# KiCad board panel.kicad_pcb (continued)
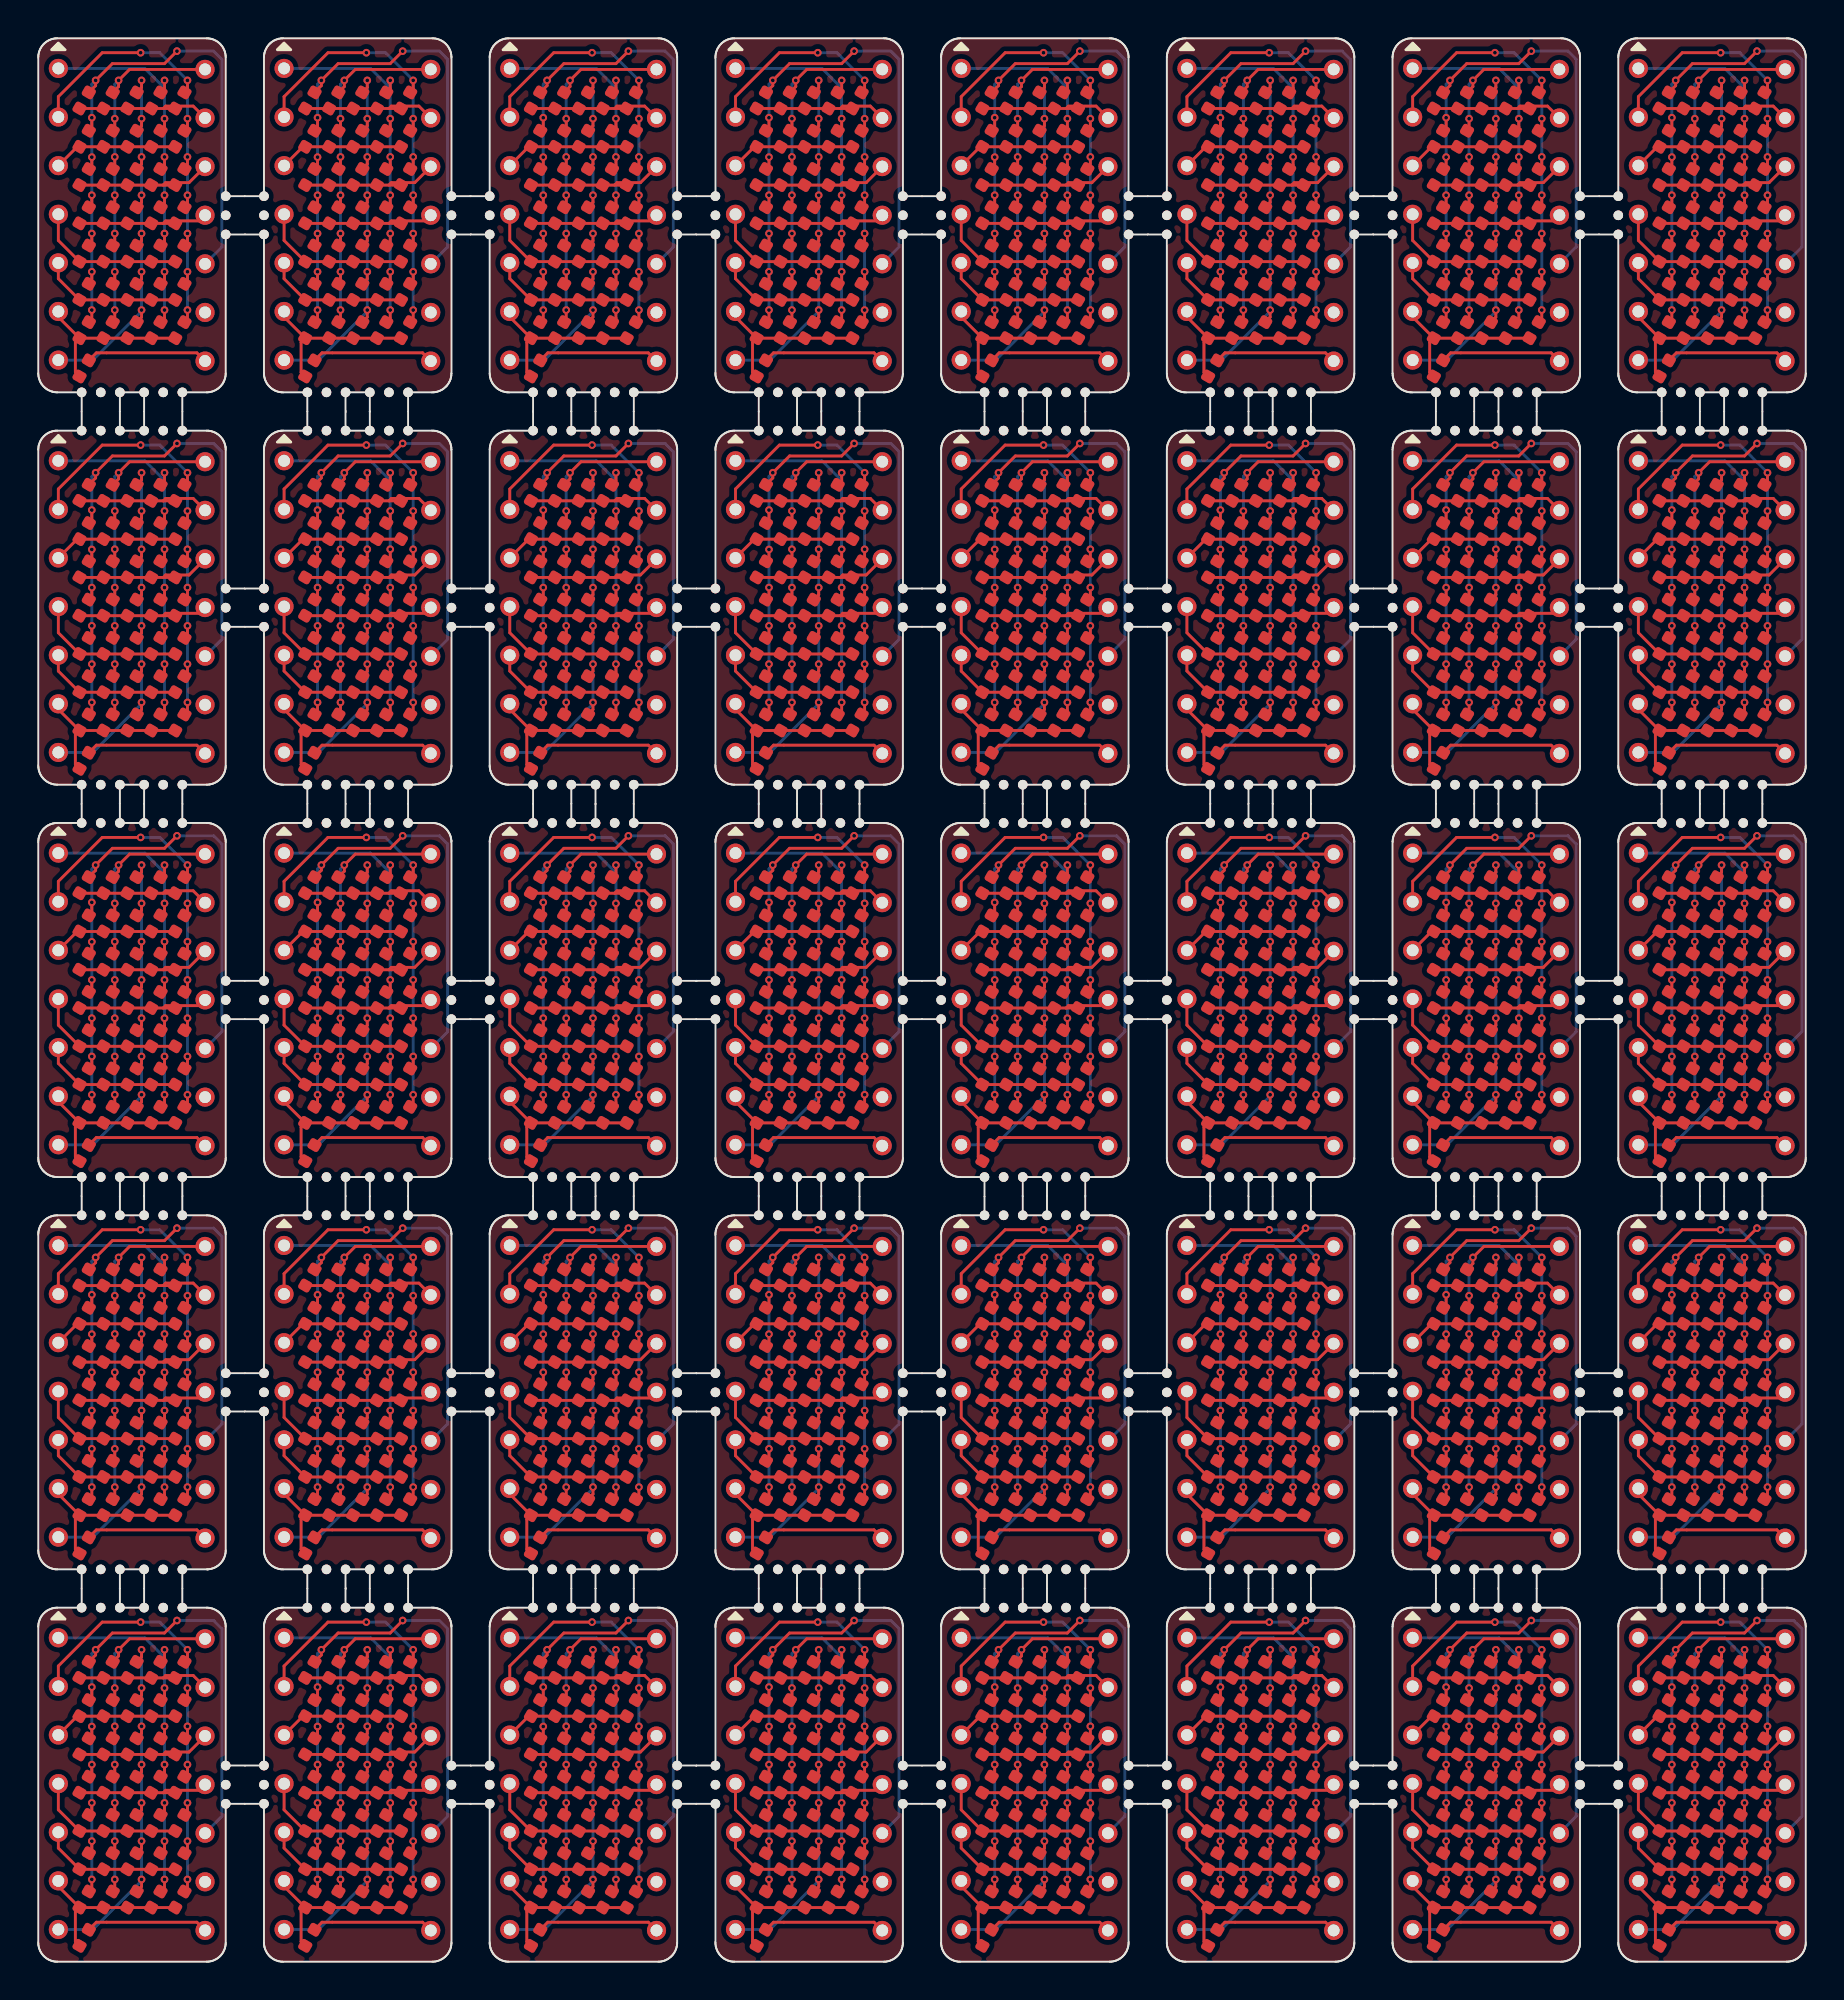
[diagram p0: board, top side]
## Routing (per net, layer and track width the routed paths; a pad name or vN(x,y) marks a point on that pad's centre or on a via; arc(x,y) is an arc through that point) (continued)
Board_16-DP: length 6.4
  Top w0.15: D8#34.2 3.04,43.06 8.29,43.06 J2.7
Board_16-R1: length 7.5
  Top w0.15: D30#37.1 6.53,55.83 ; 6.53,55.83 D23#15.1 D16#8.1 D9#29.1 D1#6.1 ; 6.53,55.83 6.66,55.96 8.1,55.96 J2.2
Board_16-R2: length 6.5
  Top w0.15: D31#25.1 D24#7.1 D17#36.1 D10#17.1 D2#22.1 2.03,53.83 J1#28.3
Board_16-R3: length 7.6
  Top w0.15: 6.53,51.83 D25#5.1 D18#6.1 D11#37.1 D3#9.1 ; 6.53,51.83 6.66,51.96 7.88,51.96 J2.3 ; 6.53,51.83 D32#40.1
Board_16-R4: length 7.4
  Top w0.15: J2.4 8.42,49.96 6.66,49.96 6.53,49.83 ; D4#11.1 D12#18.1 D19#23.1 D26#24.1 6.53,49.83 ; 6.53,49.83 D33#33.1
Board_16-R5: length 7.9
  Top w0.15: J1#28.4 1.05,48.94 D5#10.1 D13#30.1 D20#6.1 D27#16.1 D34#6.1
Board_16-R6: length 7.4
  Top w0.15: D35#9.1 D28#16.1 D21#19.1 D14#30.1 D6#34.1 1.05,46.94 J1#28.5
Board_16-R7: length 9
  Top w0.15: D7#23.1 1.94,43.61 1.94,42.05 D8#34.1 ; D7#23.1 1.05,44.94 J1#28.6 ; D7#23.1 D15#2.1 D22#2.1 D29#22.1 D36#39.1
Board_17-C1: length 35.5
  Top w0.15: D7#2.2 14.6,44.83 v1(14.6,45.3) ; D3#31.2 14.6,52.83 v1(14.6,53.29) ; v1(14.6,51.3) 14.6,50.83 D4#15.2 ; v1(19.05,58.83) 18.4,58.18 15.68,58.18 v1(14.8,57.3) 14.8,57.03 D1#16.2 ; v1(14.6,47.3) 14.6,46.83 D6#39.2 ; v1(14.6,49.3) 14.6,48.83 D5#40.2 ; v1(14.6,55.35) 14.6,54.83 D2#36.2
  Bottom w0.15: v1(19.05,58.83) 20.97,58.83 21.4,58.4 21.4,48.59 J2#20.5 ; v1(14.6,45.3) v1(14.6,47.3) v1(14.6,49.3) v1(14.6,51.3) v1(14.6,53.29) v1(14.6,55.35) 14.6,57.1 v1(14.8,57.3)
Board_17-C2: length 21.6
  Top w0.15: D14#15.2 15.8,46.78 v1(15.8,47.3) ; v1(15.8,53.3) 15.8,52.78 D11#38.2 ; v1(15.8,55.3) 15.8,54.78 D10#9.2 ; v1(15.8,49.3) 15.8,48.78 D13#32.2 ; J2#20.1 20.52,57.87 16.57,57.87 v1(16,57.3) 16,56.98 D9#26.2 ; D15#8.2 15.8,44.78 v1(15.8,45.3) ; D12#19.2 15.8,50.78 v1(15.8,51.3)
  Bottom w0.15: v1(15.8,45.3) v1(15.8,47.3) v1(15.8,49.3) v1(15.8,51.3) v1(15.8,53.3) v1(15.8,55.3) 15.8,57.1 v1(16,57.3)
Board_17-C3: length 22.6
  Top w0.15: D22#14.2 17.2,44.93 v1(17.2,45.3) ; D21#13.2 17.2,46.93 v1(17.2,47.3) ; v1(17.2,53.3) 17.2,52.93 D18#31.2 ; v1(17.2,57.3) 17.2,56.93 D16#19.2 ; v1(17.2,51.3) 17.2,50.93 D19#32.2 ; D20.2 17.2,48.93 v1(17.2,49.3) ; v1(17.2,55.3) 17.2,54.93 D17#22.2
  Bottom w0.15: J1#10.7 14.65,42.69 17.2,45.23 v1(17.2,45.3) v1(17.2,47.3) v1(17.2,49.3) v1(17.2,51.3) v1(17.2,53.3) v1(17.2,55.3) v1(17.2,57.3)
Board_17-C4: length 23
  Top w0.15: v1(18.4,57.3) 18.4,56.88 D23#26.2 ; D26#35.2 18.4,50.88 v1(18.4,51.3) ; v1(18.4,49.3) 18.4,48.88 D27#13.2 ; D25#25.2 18.4,52.88 v1(18.4,53.3) ; D28#2.2 18.4,46.88 v1(18.4,47.3) ; v1(18.4,55.3) 18.4,54.88 D24#29.2 ; D29#10.2 18.4,44.88 v1(18.4,45.3)
  Bottom w0.15: v1(18.4,57.3) 18.4,56.89 ; 18.4,56.89 v1(18.4,55.3) v1(18.4,53.3) v1(18.4,51.3) v1(18.4,49.3) v1(18.4,47.3) v1(18.4,45.3) ; 18.4,56.89 17.37,57.92 J1#10.1
Board_17-C5: length 26.2
  Top w0.15: D35#32.2 19.6,46.83 v1(19.6,47.3) ; D30#28.2 19.6,56.83 v1(19.6,57.3) ; 12.85,55.39 12.85,56.45 15.14,58.74 v1(17.15,58.74) ; D36#2.2 19.6,44.83 v1(19.6,45.3) ; v1(19.6,55.3) 19.6,54.83 D31#28.2 ; v1(19.6,49.3) 19.6,48.83 D34#22.2 ; v1(19.6,53.3) 19.6,52.83 D32#28.2 ; D33#24.2 19.6,50.83 v1(19.6,51.3)
  Bottom w0.15: v1(17.15,58.74) 18.16,58.74 v1(19.6,57.3) v1(19.6,55.3) v1(19.6,53.3) v1(19.6,51.3) v1(19.6,49.3) v1(19.6,47.3) v1(19.6,45.3)
Board_17-DP: length 6.4
  Top w0.15: J2#20.7 20.09,43.06 14.84,43.06 D8#4.2
Board_17-R1: length 7.5
  Top w0.15: 18.33,55.83 D23#26.1 D16#19.1 D9#26.1 D1#16.1 ; 18.33,55.83 D30#28.1 ; 18.33,55.83 18.46,55.96 19.9,55.96 J2#20.2
Board_17-R2: length 6.5
  Top w0.15: J1#10.3 13.84,53.83 D2#36.1 D10#9.1 D17#22.1 D24#29.1 D31#28.1
Board_17-R3: length 7.6
  Top w0.15: D32#28.1 18.33,51.83 ; 18.33,51.83 18.46,51.96 19.68,51.96 J2#20.3 ; 18.33,51.83 D25#25.1 D18#31.1 D11#38.1 D3#31.1
Board_17-R4: length 7.4
  Top w0.15: 18.33,49.83 18.46,49.96 20.22,49.96 J2#20.4 ; 18.33,49.83 D26#35.1 D19#32.1 D12#19.1 D4#15.1 ; 18.33,49.83 D33#24.1
Board_17-R5: length 7.9
  Top w0.15: J1#10.4 12.85,48.94 D5#40.1 D13#32.1 D20.1 D27#13.1 D34#22.1
Board_17-R6: length 7.4
  Top w0.15: J1#10.5 12.85,46.94 D6#39.1 D14#15.1 D21#13.1 D28#2.1 D35#32.1
Board_17-R7: length 9
  Top w0.15: D7#2.1 D15#8.1 D22#14.1 D29#10.1 D36#2.1 ; D7#2.1 13.74,43.61 13.74,42.05 D8#4.1 ; D7#2.1 12.85,44.94 J1#10.6
Board_18-C1: length 35.5
  Top w0.15: v1(26.4,51.3) 26.4,50.83 D4#12.2 ; D1#8.2 26.6,57.03 v1(26.6,57.3) 27.48,58.18 30.2,58.18 v1(30.85,58.83) ; v1(26.4,45.3) 26.4,44.83 D7#34.2 ; v1(26.4,55.35) 26.4,54.83 D2#9.2 ; v1(26.4,49.3) 26.4,48.83 D5#20.2 ; v1(26.4,47.3) 26.4,46.83 D6#16.2 ; v1(26.4,53.29) 26.4,52.83 D3#7.2
  Bottom w0.15: v1(26.6,57.3) 26.4,57.1 v1(26.4,55.35) v1(26.4,53.29) v1(26.4,51.3) v1(26.4,49.3) v1(26.4,47.3) v1(26.4,45.3) ; J2#8.5 33.2,48.59 33.2,58.4 32.77,58.83 v1(30.85,58.83)
Board_18-C2: length 21.6
  Top w0.15: D15#20.2 27.6,44.78 v1(27.6,45.3) ; v1(27.6,53.3) 27.6,52.78 D11#31.2 ; J2#8.1 32.32,57.87 28.37,57.87 v1(27.8,57.3) 27.8,56.98 D9#10.2 ; D10#6.2 27.6,54.78 v1(27.6,55.3) ; D13#31.2 27.6,48.78 v1(27.6,49.3) ; D14#23.2 27.6,46.78 v1(27.6,47.3) ; v1(27.6,51.3) 27.6,50.78 D12#39.2
  Bottom w0.15: v1(27.6,45.3) v1(27.6,47.3) v1(27.6,49.3) v1(27.6,51.3) v1(27.6,53.3) v1(27.6,55.3) 27.6,57.1 v1(27.8,57.3)
Board_18-C3: length 22.6
  Top w0.15: v1(29,51.3) 29,50.93 D19#12.2 ; D16#32.2 29,56.93 v1(29,57.3) ; D20#21.2 29,48.93 v1(29,49.3) ; v1(29,55.3) 29,54.93 D17.2 ; D18#39.2 29,52.93 v1(29,53.3) ; v1(29,47.3) 29,46.93 D21#37.2 ; D22#13.2 29,44.93 v1(29,45.3)
  Bottom w0.15: v1(29,57.3) v1(29,55.3) v1(29,53.3) v1(29,51.3) v1(29,49.3) v1(29,47.3) v1(29,45.3) 29,45.23 26.45,42.69 J1#15.7
Board_18-C4: length 23
  Top w0.15: v1(30.2,57.3) 30.2,56.88 D23#9.2 ; D28#15.2 30.2,46.88 v1(30.2,47.3) ; v1(30.2,55.3) 30.2,54.88 D24#18.2 ; D29.2 30.2,44.88 v1(30.2,45.3) ; v1(30.2,51.3) 30.2,50.88 D26#6.2 ; D25#27.2 30.2,52.88 v1(30.2,53.3) ; v1(30.2,49.3) 30.2,48.88 D27#5.2
  Bottom w0.15: 30.2,56.89 v1(30.2,55.3) v1(30.2,53.3) v1(30.2,51.3) v1(30.2,49.3) v1(30.2,47.3) v1(30.2,45.3) ; 30.2,56.89 29.17,57.92 J1#15.1 ; 30.2,56.89 v1(30.2,57.3)
Board_18-C5: length 26.2
  Top w0.15: v1(31.4,55.3) 31.4,54.83 D31#22.2 ; D33#32.2 31.4,50.83 v1(31.4,51.3) ; D32#25.2 31.4,52.83 v1(31.4,53.3) ; 24.65,55.39 24.65,56.45 26.95,58.74 v1(28.95,58.74) ; v1(31.4,47.3) 31.4,46.83 D35#34.2 ; D34#28.2 31.4,48.83 v1(31.4,49.3) ; v1(31.4,57.3) 31.4,56.83 D30#10.2 ; v1(31.4,45.3) 31.4,44.83 D36#25.2
  Bottom w0.15: v1(31.4,45.3) v1(31.4,47.3) v1(31.4,49.3) v1(31.4,51.3) v1(31.4,53.3) v1(31.4,55.3) v1(31.4,57.3) 29.95,58.74 v1(28.95,58.74)
Board_18-DP: length 6.4
  Top w0.15: D8#33.2 26.64,43.06 31.89,43.06 J2#8.7
Board_18-R1: length 7.5
  Top w0.15: 30.13,55.83 30.26,55.96 31.7,55.96 J2#8.2 ; 30.13,55.83 D30#10.1 ; 30.13,55.83 D23#9.1 D16#32.1 D9#10.1 D1#8.1
Board_18-R2: length 6.5
  Top w0.15: D31#22.1 D24#18.1 D17.1 D10#6.1 D2#9.1 25.64,53.83 J1#15.3
Board_18-R3: length 7.6
  Top w0.15: 30.13,51.83 30.26,51.96 31.48,51.96 J2#8.3 ; 30.13,51.83 D25#27.1 D18#39.1 D11#31.1 D3#7.1 ; 30.13,51.83 D32#25.1
Board_18-R4: length 7.4
  Top w0.15: J2#8.4 32.02,49.96 30.26,49.96 30.13,49.83 ; 30.13,49.83 D33#32.1 ; 30.13,49.83 D26#6.1 D19#12.1 D12#39.1 D4#12.1
Board_18-R5: length 7.9
  Top w0.15: D34#28.1 D27#5.1 D20#21.1 D13#31.1 D5#20.1 24.65,48.94 J1#15.4
Board_18-R6: length 7.4
  Top w0.15: D35#34.1 D28#15.1 D21#37.1 D14#23.1 D6#16.1 24.65,46.94 J1#15.5
Board_18-R7: length 9
  Top w0.15: D7#34.1 25.54,43.61 25.54,42.05 D8#33.1 ; D7#34.1 D15#20.1 D22#13.1 D29.1 D36#25.1 ; D7#34.1 24.65,44.94 J1#15.6
Board_19-C1: length 35.5
  Top w0.15: v1(38.2,51.3) 38.2,50.83 D4#9.2 ; D1#27.2 38.4,57.03 v1(38.4,57.3) 39.28,58.18 42,58.18 v1(42.65,58.83) ; D5#8.2 38.2,48.83 v1(38.2,49.3) ; v1(38.2,47.3) 38.2,46.83 D6#40.2 ; D3#6.2 38.2,52.83 v1(38.2,53.29) ; v1(38.2,45.3) 38.2,44.83 D7#24.2 ; v1(38.2,55.35) 38.2,54.83 D2#2.2
  Bottom w0.15: v1(38.4,57.3) 38.2,57.1 v1(38.2,55.35) v1(38.2,53.29) v1(38.2,51.3) v1(38.2,49.3) v1(38.2,47.3) v1(38.2,45.3) ; J2#29.5 45,48.59 45,58.4 44.57,58.83 v1(42.65,58.83)
Board_19-C2: length 21.6
  Top w0.15: v1(39.4,55.3) 39.4,54.78 D10#19.2 ; v1(39.4,53.3) 39.4,52.78 D11#10.2 ; D13#15.2 39.4,48.78 v1(39.4,49.3) ; D15#7.2 39.4,44.78 v1(39.4,45.3) ; D9#11.2 39.6,56.98 v1(39.6,57.3) 40.17,57.87 44.12,57.87 J2#29.1 ; v1(39.4,51.3) 39.4,50.78 D12#34.2 ; v1(39.4,47.3) 39.4,46.78 D14.2
  Bottom w0.15: v1(39.6,57.3) 39.4,57.1 v1(39.4,55.3) v1(39.4,53.3) v1(39.4,51.3) v1(39.4,49.3) v1(39.4,47.3) v1(39.4,45.3)
Board_19-C3: length 22.6
  Top w0.15: D20#7.2 40.8,48.93 v1(40.8,49.3) ; D21#39.2 40.8,46.93 v1(40.8,47.3) ; D18#3.2 40.8,52.93 v1(40.8,53.3) ; D19#29.2 40.8,50.93 v1(40.8,51.3) ; v1(40.8,45.3) 40.8,44.93 D22#22.2 ; v1(40.8,55.3) 40.8,54.93 D17#26.2 ; D16#37.2 40.8,56.93 v1(40.8,57.3)
  Bottom w0.15: v1(40.8,57.3) v1(40.8,55.3) v1(40.8,53.3) v1(40.8,51.3) v1(40.8,49.3) v1(40.8,47.3) v1(40.8,45.3) 40.8,45.23 38.25,42.69 J1#22.7
Board_19-C4: length 23
  Top w0.15: v1(42,47.3) 42,46.88 D28#20.2 ; v1(42,53.3) 42,52.88 D25#40.2 ; D23#31.2 42,56.88 v1(42,57.3) ; D27#6.2 42,48.88 v1(42,49.3) ; v1(42,45.3) 42,44.88 D29#3.2 ; D26#3.2 42,50.88 v1(42,51.3) ; v1(42,55.3) 42,54.88 D24#8.2
  Bottom w0.15: v1(42,45.3) v1(42,47.3) v1(42,49.3) v1(42,51.3) v1(42,53.3) v1(42,55.3) 42,56.89 ; 42,56.89 40.97,57.92 J1#22.1 ; 42,56.89 v1(42,57.3)
Board_19-C5: length 26.2
  Top w0.15: D32#39.2 43.2,52.83 v1(43.2,53.3) ; v1(43.2,45.3) 43.2,44.83 D36#32.2 ; 36.45,55.39 36.45,56.45 38.74,58.74 v1(40.75,58.74) ; D30#15.2 43.2,56.83 v1(43.2,57.3) ; D31#29.2 43.2,54.83 v1(43.2,55.3) ; v1(43.2,49.3) 43.2,48.83 D34#24.2 ; D33#17.2 43.2,50.83 v1(43.2,51.3) ; D35#11.2 43.2,46.83 v1(43.2,47.3)
  Bottom w0.15: v1(43.2,45.3) v1(43.2,47.3) v1(43.2,49.3) v1(43.2,51.3) v1(43.2,53.3) v1(43.2,55.3) v1(43.2,57.3) 41.76,58.74 v1(40.75,58.74)
Board_19-DP: length 6.4
  Top w0.15: D8#23.2 38.44,43.06 43.69,43.06 J2#29.7
Board_19-R1: length 7.5
  Top w0.15: D30#15.1 41.93,55.83 ; 41.93,55.83 42.06,55.96 43.5,55.96 J2#29.2 ; 41.93,55.83 D23#31.1 D16#37.1 D9#11.1 D1#27.1
Board_19-R2: length 6.5
  Top w0.15: D31#29.1 D24#8.1 D17#26.1 D10#19.1 D2#2.1 37.44,53.83 J1#22.3
Board_19-R3: length 7.6
  Top w0.15: 41.93,51.83 42.06,51.96 43.28,51.96 J2#29.3 ; 41.93,51.83 D32#39.1 ; 41.93,51.83 D25#40.1 D18#3.1 D11#10.1 D3#6.1
Board_19-R4: length 7.4
  Top w0.15: D4#9.1 D12#34.1 D19#29.1 D26#3.1 41.93,49.83 ; 41.93,49.83 42.06,49.96 43.82,49.96 J2#29.4 ; 41.93,49.83 D33#17.1
Board_19-R5: length 7.9
  Top w0.15: D34#24.1 D27#6.1 D20#7.1 D13#15.1 D5#8.1 36.45,48.94 J1#22.4
Board_19-R6: length 7.4
  Top w0.15: D35#11.1 D28#20.1 D21#39.1 D14.1 D6#40.1 36.45,46.94 J1#22.5
Board_19-R7: length 9
  Top w0.15: D36#32.1 D29#3.1 D22#22.1 D15#7.1 D7#24.1 ; J1#22.6 36.45,44.94 D7#24.1 ; D7#24.1 37.34,43.61 37.34,42.05 D8#23.1
Board_20-C1: length 35.5
  Top w0.15: D1#38.2 50.2,57.03 v1(50.2,57.3) 51.08,58.18 53.8,58.18 v1(54.45,58.83) ; v1(50,49.3) 50,48.83 D5#36.2 ; v1(50,47.3) 50,46.83 D6#33.2 ; D7#27.2 50,44.83 v1(50,45.3) ; v1(50,53.29) 50,52.83 D3#21.2 ; v1(50,55.35) 50,54.83 D2#25.2 ; D4#35.2 50,50.83 v1(50,51.3)
  Bottom w0.15: v1(50.2,57.3) 50,57.1 v1(50,55.35) v1(50,53.29) v1(50,51.3) v1(50,49.3) v1(50,47.3) v1(50,45.3) ; v1(54.45,58.83) 56.37,58.83 56.8,58.4 56.8,48.59 J2#35.5
Board_20-C2: length 21.6
  Top w0.15: v1(51.2,49.3) 51.2,48.78 D13#4.2 ; D15#13.2 51.2,44.78 v1(51.2,45.3) ; D11#36.2 51.2,52.78 v1(51.2,53.3) ; D9#4.2 51.4,56.98 v1(51.4,57.3) 51.97,57.87 55.92,57.87 J2#35.1 ; D12#40.2 51.2,50.78 v1(51.2,51.3) ; D14#8.2 51.2,46.78 v1(51.2,47.3) ; v1(51.2,55.3) 51.2,54.78 D10#30.2
  Bottom w0.15: v1(51.2,45.3) v1(51.2,47.3) v1(51.2,49.3) v1(51.2,51.3) v1(51.2,53.3) v1(51.2,55.3) 51.2,57.1 v1(51.4,57.3)
Board_20-C3: length 22.6
  Top w0.15: v1(52.6,45.3) 52.6,44.93 D22#4.2 ; v1(52.6,55.3) 52.6,54.93 D17#33.2 ; v1(52.6,51.3) 52.6,50.93 D19#6.2 ; v1(52.6,49.3) 52.6,48.93 D20#35.2 ; v1(52.6,57.3) 52.6,56.93 D16#38.2 ; D18#24.2 52.6,52.93 v1(52.6,53.3) ; D21#3.2 52.6,46.93 v1(52.6,47.3)
  Bottom w0.15: v1(52.6,57.3) v1(52.6,55.3) v1(52.6,53.3) v1(52.6,51.3) v1(52.6,49.3) v1(52.6,47.3) v1(52.6,45.3) 52.6,45.23 50.05,42.69 J1#29.7
Board_20-C4: length 23
  Top w0.15: D26#11.2 53.8,50.88 v1(53.8,51.3) ; v1(53.8,49.3) 53.8,48.88 D27#39.2 ; v1(53.8,47.3) 53.8,46.88 D28#4.2 ; D24#22.2 53.8,54.88 v1(53.8,55.3) ; v1(53.8,45.3) 53.8,44.88 D29#15.2 ; D23#39.2 53.8,56.88 v1(53.8,57.3) ; D25#37.2 53.8,52.88 v1(53.8,53.3)
  Bottom w0.15: 53.8,56.89 52.77,57.92 J1#29.1 ; 53.8,56.89 v1(53.8,57.3) ; 53.8,56.89 v1(53.8,55.3) v1(53.8,53.3) v1(53.8,51.3) v1(53.8,49.3) v1(53.8,47.3) v1(53.8,45.3)
Board_20-C5: length 26.2
  Top w0.15: D33#5.2 55,50.83 v1(55,51.3) ; v1(52.55,58.74) 50.55,58.74 48.25,56.45 48.25,55.39 ; v1(55,45.3) 55,44.83 D36#40.2 ; v1(55,57.3) 55,56.83 D30#4.2 ; D35#19.2 55,46.83 v1(55,47.3) ; v1(55,49.3) 55,48.83 D34#39.2 ; v1(55,55.3) 55,54.83 D31#32.2 ; D32#33.2 55,52.83 v1(55,53.3)
  Bottom w0.15: v1(55,45.3) v1(55,47.3) v1(55,49.3) v1(55,51.3) v1(55,53.3) v1(55,55.3) v1(55,57.3) 53.55,58.74 v1(52.55,58.74)
Board_20-DP: length 6.4
  Top w0.15: J2#35.7 55.49,43.06 50.24,43.06 D8#14.2
Board_20-R1: length 7.5
  Top w0.15: D30#4.1 53.73,55.83 ; 53.73,55.83 D23#39.1 D16#38.1 D9#4.1 D1#38.1 ; 53.73,55.83 53.86,55.96 55.3,55.96 J2#35.2
Board_20-R2: length 6.5
  Top w0.15: D31#32.1 D24#22.1 D17#33.1 D10#30.1 D2#25.1 49.23,53.83 J1#29.3
Board_20-R3: length 7.6
  Top w0.15: D3#21.1 D11#36.1 D18#24.1 D25#37.1 53.73,51.83 ; 53.73,51.83 53.86,51.96 55.08,51.96 J2#35.3 ; 53.73,51.83 D32#33.1
Board_20-R4: length 7.4
  Top w0.15: J2#35.4 55.62,49.96 53.86,49.96 53.73,49.83 ; 53.73,49.83 D33#5.1 ; 53.73,49.83 D26#11.1 D19#6.1 D12#40.1 D4#35.1
Board_20-R5: length 7.9
  Top w0.15: J1#29.4 48.25,48.94 D5#36.1 D13#4.1 D20#35.1 D27#39.1 D34#39.1
Board_20-R6: length 7.4
  Top w0.15: D35#19.1 D28#4.1 D21#3.1 D14#8.1 D6#33.1 48.25,46.94 J1#29.5
Board_20-R7: length 9
  Top w0.15: J1#29.6 48.25,44.94 D7#27.1 ; D7#27.1 49.14,43.61 49.14,42.05 D8#14.1 ; D7#27.1 D15#13.1 D22#4.1 D29#15.1 D36#40.1
Board_21-C1: length 35.5
  Top w0.15: v1(61.8,51.3) 61.8,50.83 D4#36.2 ; D3#23.2 61.8,52.83 v1(61.8,53.29) ; v1(66.25,58.83) 65.6,58.18 62.88,58.18 v1(62,57.3) 62,57.03 D1#7.2 ; D5#28.2 61.8,48.83 v1(61.8,49.3) ; v1(61.8,45.3) 61.8,44.83 D7#40.2 ; D2#27.2 61.8,54.83 v1(61.8,55.35) ; v1(61.8,47.3) 61.8,46.83 D6#24.2
  Bottom w0.15: v1(66.25,58.83) 68.17,58.83 68.6,58.4 68.6,48.59 J2#3.5 ; v1(61.8,45.3) v1(61.8,47.3) v1(61.8,49.3) v1(61.8,51.3) v1(61.8,53.29) v1(61.8,55.35) 61.8,57.1 v1(62,57.3)
Board_21-C2: length 21.6
  Top w0.15: D11#40.2 63,52.78 v1(63,53.3) ; v1(63,55.3) 63,54.78 D10#13.2 ; D13#26.2 63,48.78 v1(63,49.3) ; D14#4.2 63,46.78 v1(63,47.3) ; v1(63,51.3) 63,50.78 D12#35.2 ; D9#24.2 63.2,56.98 v1(63.2,57.3) 63.77,57.87 67.72,57.87 J2#3.1 ; D15#4.2 63,44.78 v1(63,45.3)
  Bottom w0.15: v1(63,45.3) v1(63,47.3) v1(63,49.3) v1(63,51.3) v1(63,53.3) v1(63,55.3) 63,57.1 v1(63.2,57.3)
Board_21-C3: length 22.6
  Top w0.15: D20#12.2 64.4,48.93 v1(64.4,49.3) ; v1(64.4,53.3) 64.4,52.93 D18#12.2 ; v1(64.4,57.3) 64.4,56.93 D16#9.2 ; v1(64.4,55.3) 64.4,54.93 D17#15.2 ; D22#26.2 64.4,44.93 v1(64.4,45.3) ; v1(64.4,47.3) 64.4,46.93 D21#10.2 ; D19#15.2 64.4,50.93 v1(64.4,51.3)
  Bottom w0.15: J1#12.7 61.85,42.69 64.4,45.23 v1(64.4,45.3) v1(64.4,47.3) v1(64.4,49.3) v1(64.4,51.3) v1(64.4,53.3) v1(64.4,55.3) v1(64.4,57.3)
Board_21-C4: length 23
  Top w0.15: v1(65.6,57.3) 65.6,56.88 D23#2.2 ; v1(65.6,55.3) 65.6,54.88 D24#30.2 ; D26#10.2 65.6,50.88 v1(65.6,51.3) ; v1(65.6,49.3) 65.6,48.88 D27#12.2 ; v1(65.6,47.3) 65.6,46.88 D28#9.2 ; v1(65.6,53.3) 65.6,52.88 D25#9.2 ; D29#32.2 65.6,44.88 v1(65.6,45.3)
  Bottom w0.15: 65.6,56.89 64.57,57.92 J1#12.1 ; 65.6,56.89 v1(65.6,55.3) v1(65.6,53.3) v1(65.6,51.3) v1(65.6,49.3) v1(65.6,47.3) v1(65.6,45.3) ; 65.6,56.89 v1(65.6,57.3)
Board_21-C5: length 26.2
  Top w0.15: D35#18.2 66.8,46.83 v1(66.8,47.3) ; v1(66.8,51.3) 66.8,50.83 D33#35.2 ; D36#6.2 66.8,44.83 v1(66.8,45.3) ; D34#2.2 66.8,48.83 v1(66.8,49.3) ; 60.05,55.39 60.05,56.45 62.35,58.74 v1(64.35,58.74) ; v1(66.8,55.3) 66.8,54.83 D31#6.2 ; v1(66.8,57.3) 66.8,56.83 D30#30.2 ; v1(66.8,53.3) 66.8,52.83 D32#32.2
  Bottom w0.15: v1(66.8,45.3) v1(66.8,47.3) v1(66.8,49.3) v1(66.8,51.3) v1(66.8,53.3) v1(66.8,55.3) v1(66.8,57.3) 65.36,58.74 v1(64.35,58.74)
Board_21-DP: length 6.4
  Top w0.15: D8#9.2 62.04,43.06 67.29,43.06 J2#3.7
Board_21-R1: length 7.5
  Top w0.15: 65.53,55.83 65.66,55.96 67.1,55.96 J2#3.2 ; 65.53,55.83 D30#30.1 ; 65.53,55.83 D23#2.1 D16#9.1 D9#24.1 D1#7.1
Board_21-R2: length 6.5
  Top w0.15: J1#12.3 61.04,53.83 D2#27.1 D10#13.1 D17#15.1 D24#30.1 D31#6.1
Board_21-R3: length 7.6
  Top w0.15: 65.53,51.83 D25#9.1 D18#12.1 D11#40.1 D3#23.1 ; 65.53,51.83 65.66,51.96 66.88,51.96 J2#3.3 ; 65.53,51.83 D32#32.1
Board_21-R4: length 7.4
  Top w0.15: 65.53,49.83 65.66,49.96 67.42,49.96 J2#3.4 ; 65.53,49.83 D33#35.1 ; 65.53,49.83 D26#10.1 D19#15.1 D12#35.1 D4#36.1
Board_21-R5: length 7.9
  Top w0.15: J1#12.4 60.05,48.94 D5#28.1 D13#26.1 D20#12.1 D27#12.1 D34#2.1
Board_21-R6: length 7.4
  Top w0.15: J1#12.5 60.05,46.94 D6#24.1 D14#4.1 D21#10.1 D28#9.1 D35#18.1
Board_21-R7: length 9
  Top w0.15: D36#6.1 D29#32.1 D22#26.1 D15#4.1 D7#40.1 ; J1#12.6 60.05,44.94 D7#40.1 ; D8#9.1 60.94,42.05 60.94,43.61 D7#40.1
Board_22-C1: length 35.5
  Top w0.15: v1(73.6,49.3) 73.6,48.83 D5#13.2 ; v1(73.6,51.3) 73.6,50.83 D4#30.2 ; D6.2 73.6,46.83 v1(73.6,47.3) ; v1(73.6,53.29) 73.6,52.83 D3#28.2 ; v1(73.6,45.3) 73.6,44.83 D7#7.2 ; v1(78.05,58.83) 77.4,58.18 74.68,58.18 v1(73.8,57.3) 73.8,57.03 D1#33.2 ; v1(73.6,55.35) 73.6,54.83 D2#5.2
  Bottom w0.15: v1(73.6,45.3) v1(73.6,47.3) v1(73.6,49.3) v1(73.6,51.3) v1(73.6,53.29) v1(73.6,55.35) 73.6,57.1 v1(73.8,57.3) ; v1(78.05,58.83) 79.97,58.83 80.4,58.4 80.4,48.59 J2#38.5
Board_22-C2: length 21.6
  Top w0.15: D9#19.2 75,56.98 v1(75,57.3) 75.57,57.87 79.52,57.87 J2#38.1 ; D13#9.2 74.8,48.78 v1(74.8,49.3) ; D10#5.2 74.8,54.78 v1(74.8,55.3) ; v1(74.8,53.3) 74.8,52.78 D11.2 ; v1(74.8,51.3) 74.8,50.78 D12#12.2 ; D15#14.2 74.8,44.78 v1(74.8,45.3) ; v1(74.8,47.3) 74.8,46.78 D14#27.2
  Bottom w0.15: v1(75,57.3) 74.8,57.1 v1(74.8,55.3) v1(74.8,53.3) v1(74.8,51.3) v1(74.8,49.3) v1(74.8,47.3) v1(74.8,45.3)
Board_22-C3: length 22.6
  Top w0.15: D19#34.2 76.2,50.93 v1(76.2,51.3) ; D22#33.2 76.2,44.93 v1(76.2,45.3) ; v1(76.2,53.3) 76.2,52.93 D18#9.2 ; D17#9.2 76.2,54.93 v1(76.2,55.3) ; v1(76.2,57.3) 76.2,56.93 D16#16.2 ; D20#5.2 76.2,48.93 v1(76.2,49.3) ; v1(76.2,47.3) 76.2,46.93 D21#27.2
  Bottom w0.15: J1#4.7 73.65,42.69 76.2,45.23 v1(76.2,45.3) v1(76.2,47.3) v1(76.2,49.3) v1(76.2,51.3) v1(76.2,53.3) v1(76.2,55.3) v1(76.2,57.3)
Board_22-C4: length 23
  Top w0.15: D23#6.2 77.4,56.88 v1(77.4,57.3) ; D26#14.2 77.4,50.88 v1(77.4,51.3) ; v1(77.4,53.3) 77.4,52.88 D25#3.2 ; v1(77.4,49.3) 77.4,48.88 D27#23.2 ; D29#25.2 77.4,44.88 v1(77.4,45.3) ; D24#40.2 77.4,54.88 v1(77.4,55.3) ; v1(77.4,47.3) 77.4,46.88 D28#36.2
  Bottom w0.15: v1(77.4,57.3) 77.4,56.89 ; 77.4,56.89 76.37,57.92 J1#4.1 ; 77.4,56.89 v1(77.4,55.3) v1(77.4,53.3) v1(77.4,51.3) v1(77.4,49.3) v1(77.4,47.3) v1(77.4,45.3)
Board_22-C5: length 26.2
  Top w0.15: v1(78.6,57.3) 78.6,56.83 D30#14.2 ; D34#8.2 78.6,48.83 v1(78.6,49.3) ; 71.85,55.39 71.85,56.45 74.14,58.74 v1(76.15,58.74) ; v1(78.6,51.3) 78.6,50.83 D33#38.2 ; D36#24.2 78.6,44.83 v1(78.6,45.3) ; v1(78.6,47.3) 78.6,46.83 D35#24.2 ; D32#13.2 78.6,52.83 v1(78.6,53.3) ; v1(78.6,55.3) 78.6,54.83 D31#10.2
  Bottom w0.15: v1(76.15,58.74) 77.16,58.74 v1(78.6,57.3) v1(78.6,55.3) v1(78.6,53.3) v1(78.6,51.3) v1(78.6,49.3) v1(78.6,47.3) v1(78.6,45.3)
Board_22-DP: length 6.4
  Top w0.15: D8#12.2 73.84,43.06 79.09,43.06 J2#38.7
Board_22-R1: length 7.5
  Top w0.15: D30#14.1 77.33,55.83 ; 77.33,55.83 77.46,55.96 78.9,55.96 J2#38.2 ; 77.33,55.83 D23#6.1 D16#16.1 D9#19.1 D1#33.1
Board_22-R2: length 6.5
  Top w0.15: J1#4.3 72.83,53.83 D2#5.1 D10#5.1 D17#9.1 D24#40.1 D31#10.1
Board_22-R3: length 7.6
  Top w0.15: 77.33,51.83 77.46,51.96 78.68,51.96 J2#38.3 ; 77.33,51.83 D32#13.1 ; 77.33,51.83 D25#3.1 D18#9.1 D11.1 D3#28.1
Board_22-R4: length 7.4
  Top w0.15: 77.33,49.83 D26#14.1 D19#34.1 D12#12.1 D4#30.1 ; 77.33,49.83 77.46,49.96 79.22,49.96 J2#38.4 ; 77.33,49.83 D33#38.1
Board_22-R5: length 7.9
  Top w0.15: D34#8.1 D27#23.1 D20#5.1 D13#9.1 D5#13.1 71.85,48.94 J1#4.4
Board_22-R6: length 7.4
  Top w0.15: J1#4.5 71.85,46.94 D6.1 D14#27.1 D21#27.1 D28#36.1 D35#24.1
Board_22-R7: length 9
  Top w0.15: D8#12.1 72.74,42.05 72.74,43.61 D7#7.1 ; D7#7.1 D15#14.1 D22#33.1 D29#25.1 D36#24.1 ; D7#7.1 71.85,44.94 J1#4.6
Board_23-C1: length 35.5
  Top w0.15: D6#27.2 85.4,46.83 v1(85.4,47.3) ; v1(85.4,55.35) 85.4,54.83 D2#7.2 ; D4#25.2 85.4,50.83 v1(85.4,51.3) ; D1#39.2 85.6,57.03 v1(85.6,57.3) 86.48,58.18 89.2,58.18 v1(89.85,58.83) ; D7#35.2 85.4,44.83 v1(85.4,45.3) ; D5#24.2 85.4,48.83 v1(85.4,49.3) ; D3#37.2 85.4,52.83 v1(85.4,53.29)
  Bottom w0.15: J2#16.5 92.2,48.59 92.2,58.4 91.77,58.83 v1(89.85,58.83) ; v1(85.6,57.3) 85.4,57.1 v1(85.4,55.35) v1(85.4,53.29) v1(85.4,51.3) v1(85.4,49.3) v1(85.4,47.3) v1(85.4,45.3)
Board_23-C2: length 21.6
  Top w0.15: v1(86.6,51.3) 86.6,50.78 D12#11.2 ; D10#32.2 86.6,54.78 v1(86.6,55.3) ; D15#31.2 86.6,44.78 v1(86.6,45.3) ; v1(86.6,47.3) 86.6,46.78 D14#34.2 ; J2#16.1 91.32,57.87 87.37,57.87 v1(86.8,57.3) 86.8,56.98 D9#5.2 ; v1(86.6,49.3) 86.6,48.78 D13#3.2 ; D11#4.2 86.6,52.78 v1(86.6,53.3)
  Bottom w0.15: v1(86.8,57.3) 86.6,57.1 v1(86.6,55.3) v1(86.6,53.3) v1(86.6,51.3) v1(86.6,49.3) v1(86.6,47.3) v1(86.6,45.3)
Board_23-C3: length 22.6
  Top w0.15: D22#8.2 88,44.93 v1(88,45.3) ; D20#24.2 88,48.93 v1(88,49.3) ; v1(88,51.3) 88,50.93 D19#3.2 ; v1(88,57.3) 88,56.93 D16#27.2 ; D17#20.2 88,54.93 v1(88,55.3) ; D18#40.2 88,52.93 v1(88,53.3) ; v1(88,47.3) 88,46.93 D21#28.2
  Bottom w0.15: J1#36.7 85.45,42.69 88,45.23 v1(88,45.3) v1(88,47.3) v1(88,49.3) v1(88,51.3) v1(88,53.3) v1(88,55.3) v1(88,57.3)
Board_23-C4: length 23
  Top w0.15: D24#13.2 89.2,54.88 v1(89.2,55.3) ; D26#27.2 89.2,50.88 v1(89.2,51.3) ; v1(89.2,49.3) 89.2,48.88 D27#26.2 ; D29#9.2 89.2,44.88 v1(89.2,45.3) ; v1(89.2,53.3) 89.2,52.88 D25#14.2 ; v1(89.2,47.3) 89.2,46.88 D28#12.2 ; v1(89.2,57.3) 89.2,56.88 D23#11.2
  Bottom w0.15: v1(89.2,45.3) v1(89.2,47.3) v1(89.2,49.3) v1(89.2,51.3) v1(89.2,53.3) v1(89.2,55.3) 89.2,56.89 ; J1#36.1 88.17,57.92 89.2,56.89 ; 89.2,56.89 v1(89.2,57.3)
Board_23-C5: length 26.2
  Top w0.15: D34#25.2 90.4,48.83 v1(90.4,49.3) ; D31#30.2 90.4,54.83 v1(90.4,55.3) ; 83.65,55.39 83.65,56.45 85.95,58.74 v1(87.95,58.74) ; v1(90.4,47.3) 90.4,46.83 D35#28.2 ; v1(90.4,57.3) 90.4,56.83 D30#27.2 ; v1(90.4,51.3) 90.4,50.83 D33#12.2 ; v1(90.4,53.3) 90.4,52.83 D32#4.2 ; v1(90.4,45.3) 90.4,44.83 D36#31.2
  Bottom w0.15: v1(90.4,45.3) v1(90.4,47.3) v1(90.4,49.3) v1(90.4,51.3) v1(90.4,53.3) v1(90.4,55.3) v1(90.4,57.3) 88.95,58.74 v1(87.95,58.74)
Board_23-DP: length 6.4
  Top w0.15: D8#24.2 85.64,43.06 90.89,43.06 J2#16.7
Board_23-R1: length 7.5
  Top w0.15: J2#16.2 90.7,55.96 89.26,55.96 89.13,55.83 ; 89.13,55.83 D23#11.1 D16#27.1 D9#5.1 D1#39.1 ; 89.13,55.83 D30#27.1
Board_23-R2: length 6.5
  Top w0.15: D31#30.1 D24#13.1 D17#20.1 D10#32.1 D2#7.1 84.64,53.83 J1#36.3
Board_23-R3: length 7.6
  Top w0.15: 89.13,51.83 89.26,51.96 90.48,51.96 J2#16.3 ; 89.13,51.83 D25#14.1 D18#40.1 D11#4.1 D3#37.1 ; 89.13,51.83 D32#4.1
Board_23-R4: length 7.4
  Top w0.15: J2#16.4 91.02,49.96 89.26,49.96 89.13,49.83 ; 89.13,49.83 D33#12.1 ; 89.13,49.83 D26#27.1 D19#3.1 D12#11.1 D4#25.1
Board_23-R5: length 7.9
  Top w0.15: D34#25.1 D27#26.1 D20#24.1 D13#3.1 D5#24.1 83.65,48.94 J1#36.4
Board_23-R6: length 7.4
  Top w0.15: J1#36.5 83.65,46.94 D6#27.1 D14#34.1 D21#28.1 D28#12.1 D35#28.1
Board_23-R7: length 9
  Top w0.15: J1#36.6 83.65,44.94 D7#35.1 ; D7#35.1 D15#31.1 D22#8.1 D29#9.1 D36#31.1 ; D7#35.1 84.54,43.61 84.54,42.05 D8#24.1
Board_24-C1: length 35.5
  Top w0.15: D4#20.2 2.8,30.33 v1(2.8,30.8) ; D1#11.2 3,36.53 v1(3,36.8) 3.88,37.68 6.6,37.68 v1(7.25,38.33) ; v1(2.8,24.8) 2.8,24.33 D7#39.2 ; D5#32.2 2.8,28.33 v1(2.8,28.8) ; v1(2.8,26.8) 2.8,26.33 D6#10.2 ; D2.2 2.8,34.33 v1(2.8,34.85) ; v1(2.8,32.79) 2.8,32.33 D3#36.2
  Bottom w0.15: J2#37.5 9.6,28.09 9.6,37.9 9.17,38.33 v1(7.25,38.33) ; v1(2.8,24.8) v1(2.8,26.8) v1(2.8,28.8) v1(2.8,30.8) v1(2.8,32.79) v1(2.8,34.85) 2.8,36.6 v1(3,36.8)
Board_24-C2: length 21.6
  Top w0.15: D11#13.2 4,32.28 v1(4,32.8) ; D9#30.2 4.2,36.48 v1(4.2,36.8) 4.77,37.37 8.72,37.37 J2#37.1 ; D13#10.2 4,28.28 v1(4,28.8) ; v1(4,24.8) 4,24.28 D15#3.2 ; v1(4,30.8) 4,30.28 D12.2 ; D14#6.2 4,26.28 v1(4,26.8) ; D10#16.2 4,34.28 v1(4,34.8)
  Bottom w0.15: v1(4.2,36.8) 4,36.6 v1(4,34.8) v1(4,32.8) v1(4,30.8) v1(4,28.8) v1(4,26.8) v1(4,24.8)
Board_24-C3: length 22.6
  Top w0.15: D19#40.2 5.4,30.43 v1(5.4,30.8) ; v1(5.4,36.8) 5.4,36.43 D16#36.2 ; D18#33.2 5.4,32.43 v1(5.4,32.8) ; D22.2 5.4,24.43 v1(5.4,24.8) ; v1(5.4,34.8) 5.4,34.43 D17#30.2 ; D21#34.2 5.4,26.43 v1(5.4,26.8) ; D20#29.2 5.4,28.43 v1(5.4,28.8)
  Bottom w0.15: J1#34.7 2.85,22.19 5.4,24.73 v1(5.4,24.8) v1(5.4,26.8) v1(5.4,28.8) v1(5.4,30.8) v1(5.4,32.8) v1(5.4,34.8) v1(5.4,36.8)